# Altium PCB CORE-XY.PcbDoc (part 1 of 2)
Units mil, origin at the board's own origin, x right, y up, seen from the top; angles counter-clockwise.
Board outline 6000 x 4000 mil, 2 copper layers (Top Layer, Bottom Layer); 311 components, 277 nets, 1236 pads, 16 vias.
Unrouted connection lines stored in the file: 671.
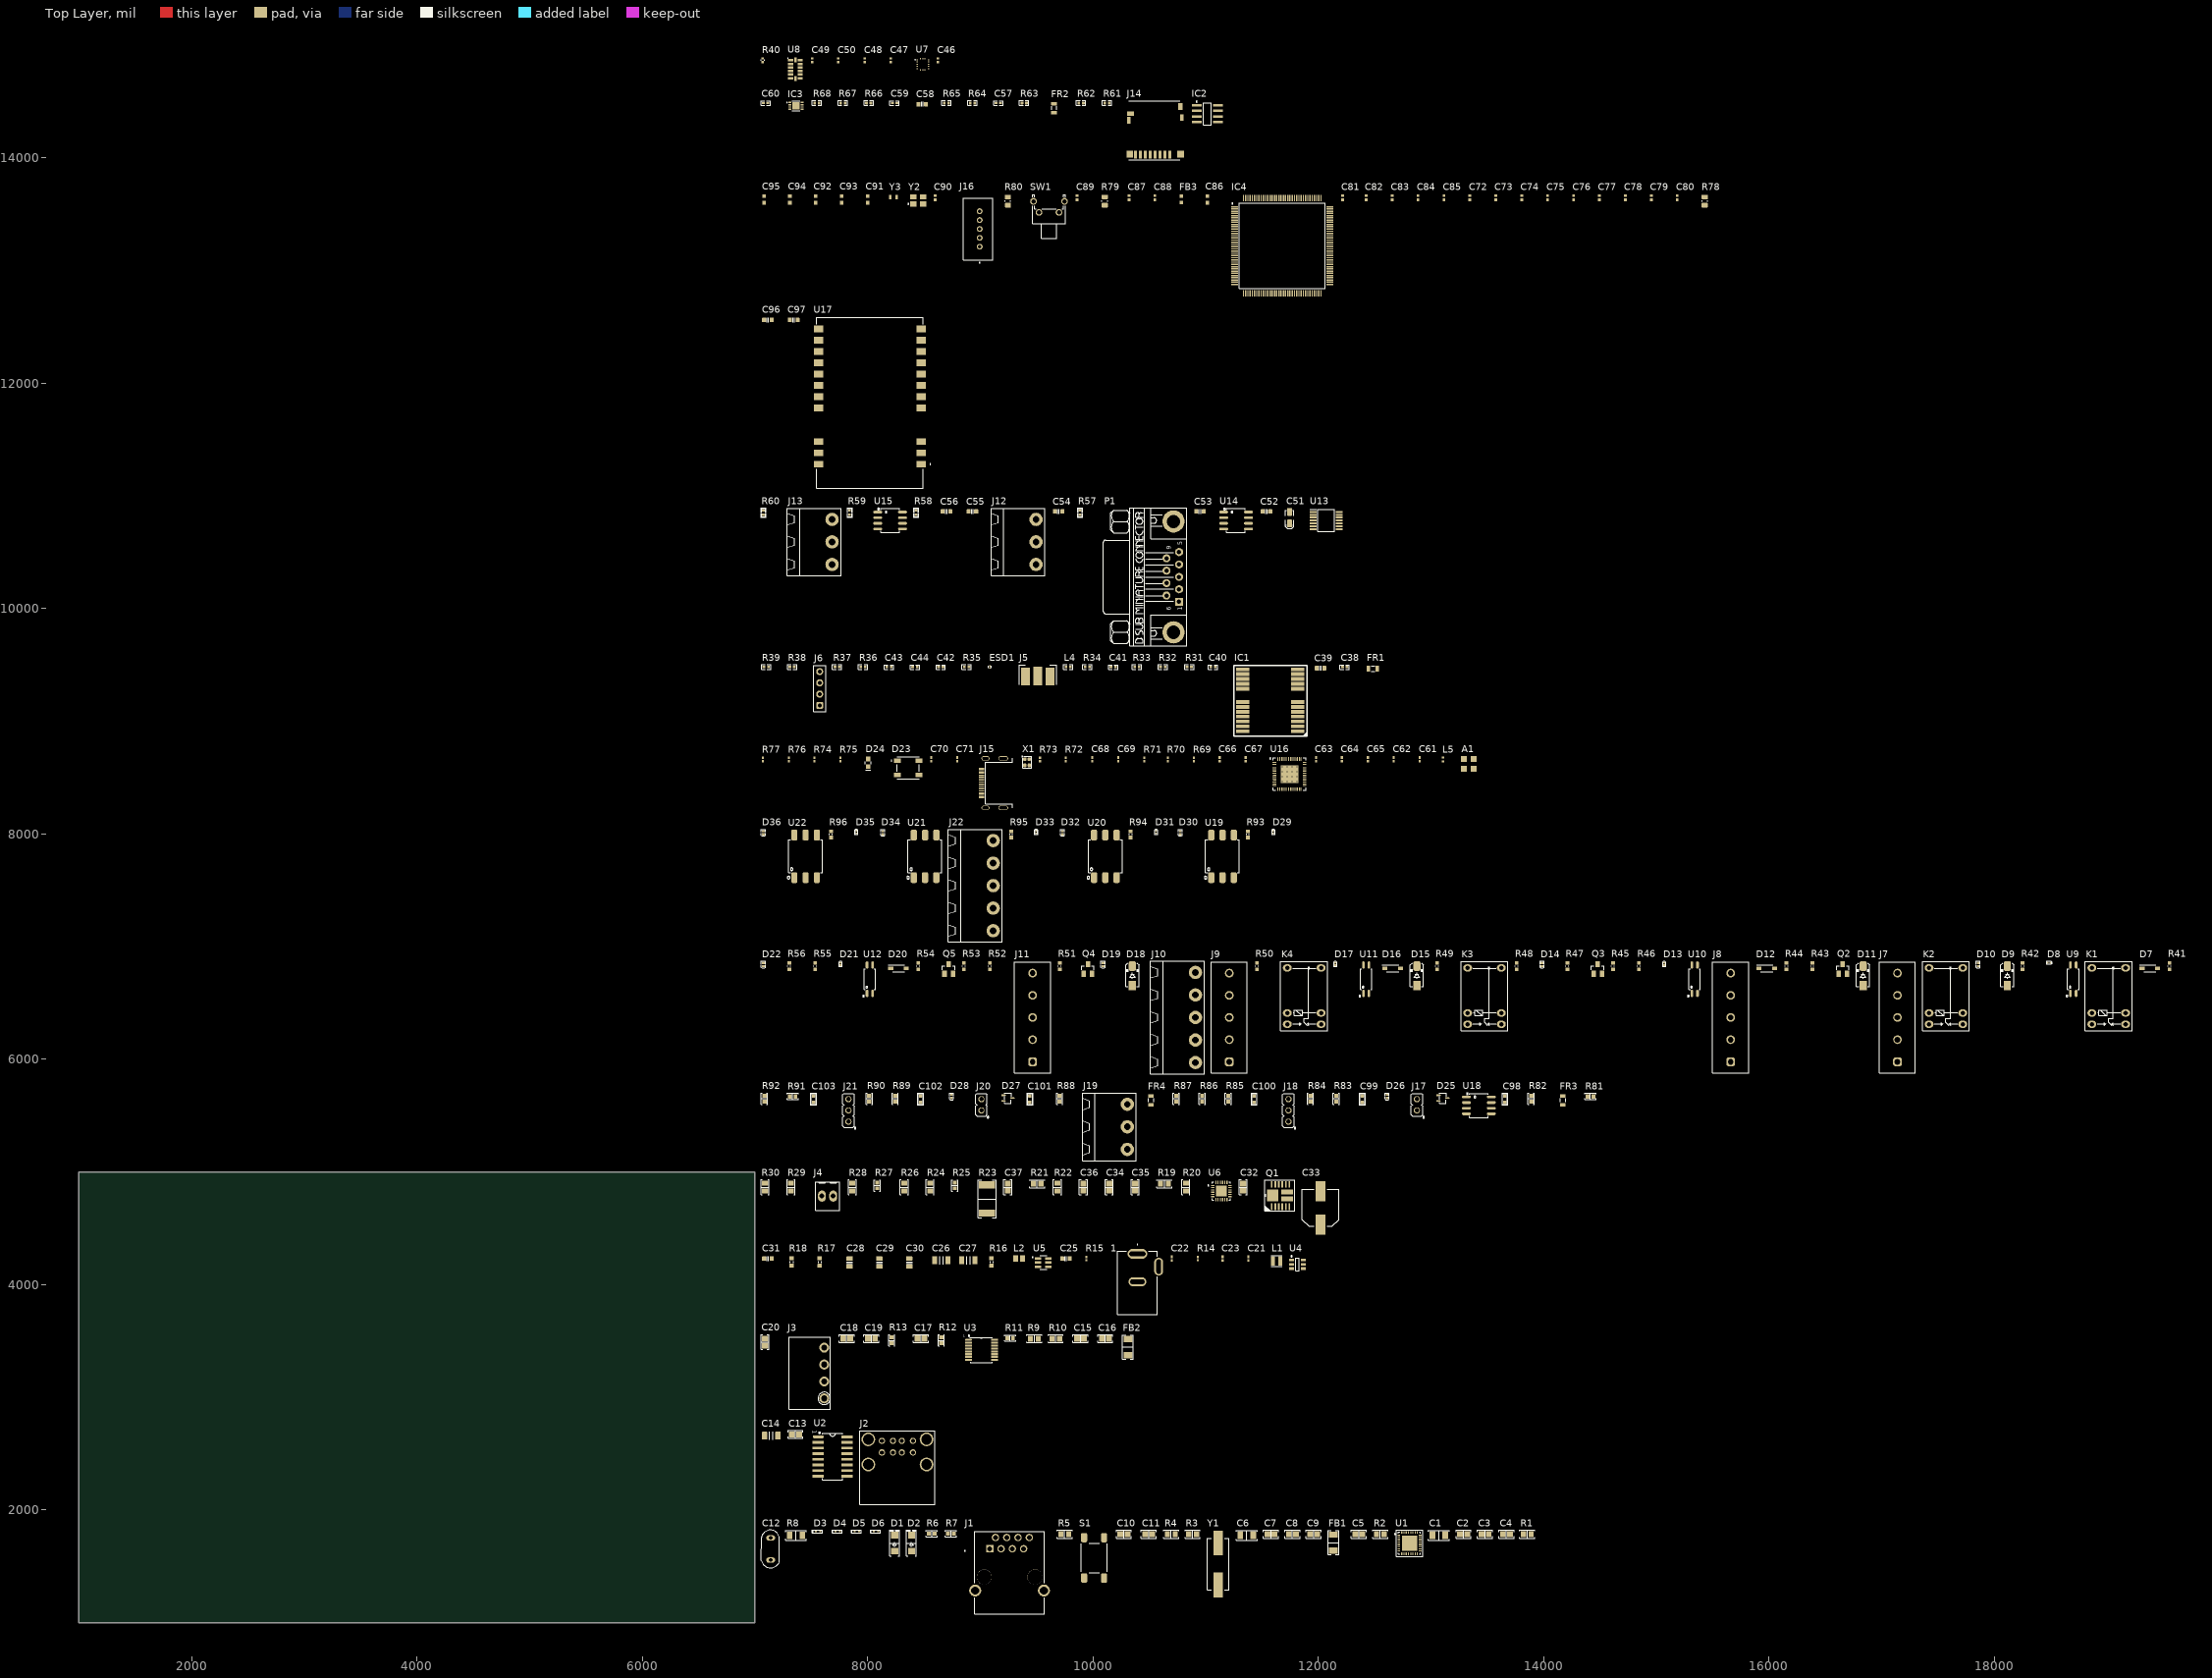
[diagram p0: Top Layer view]
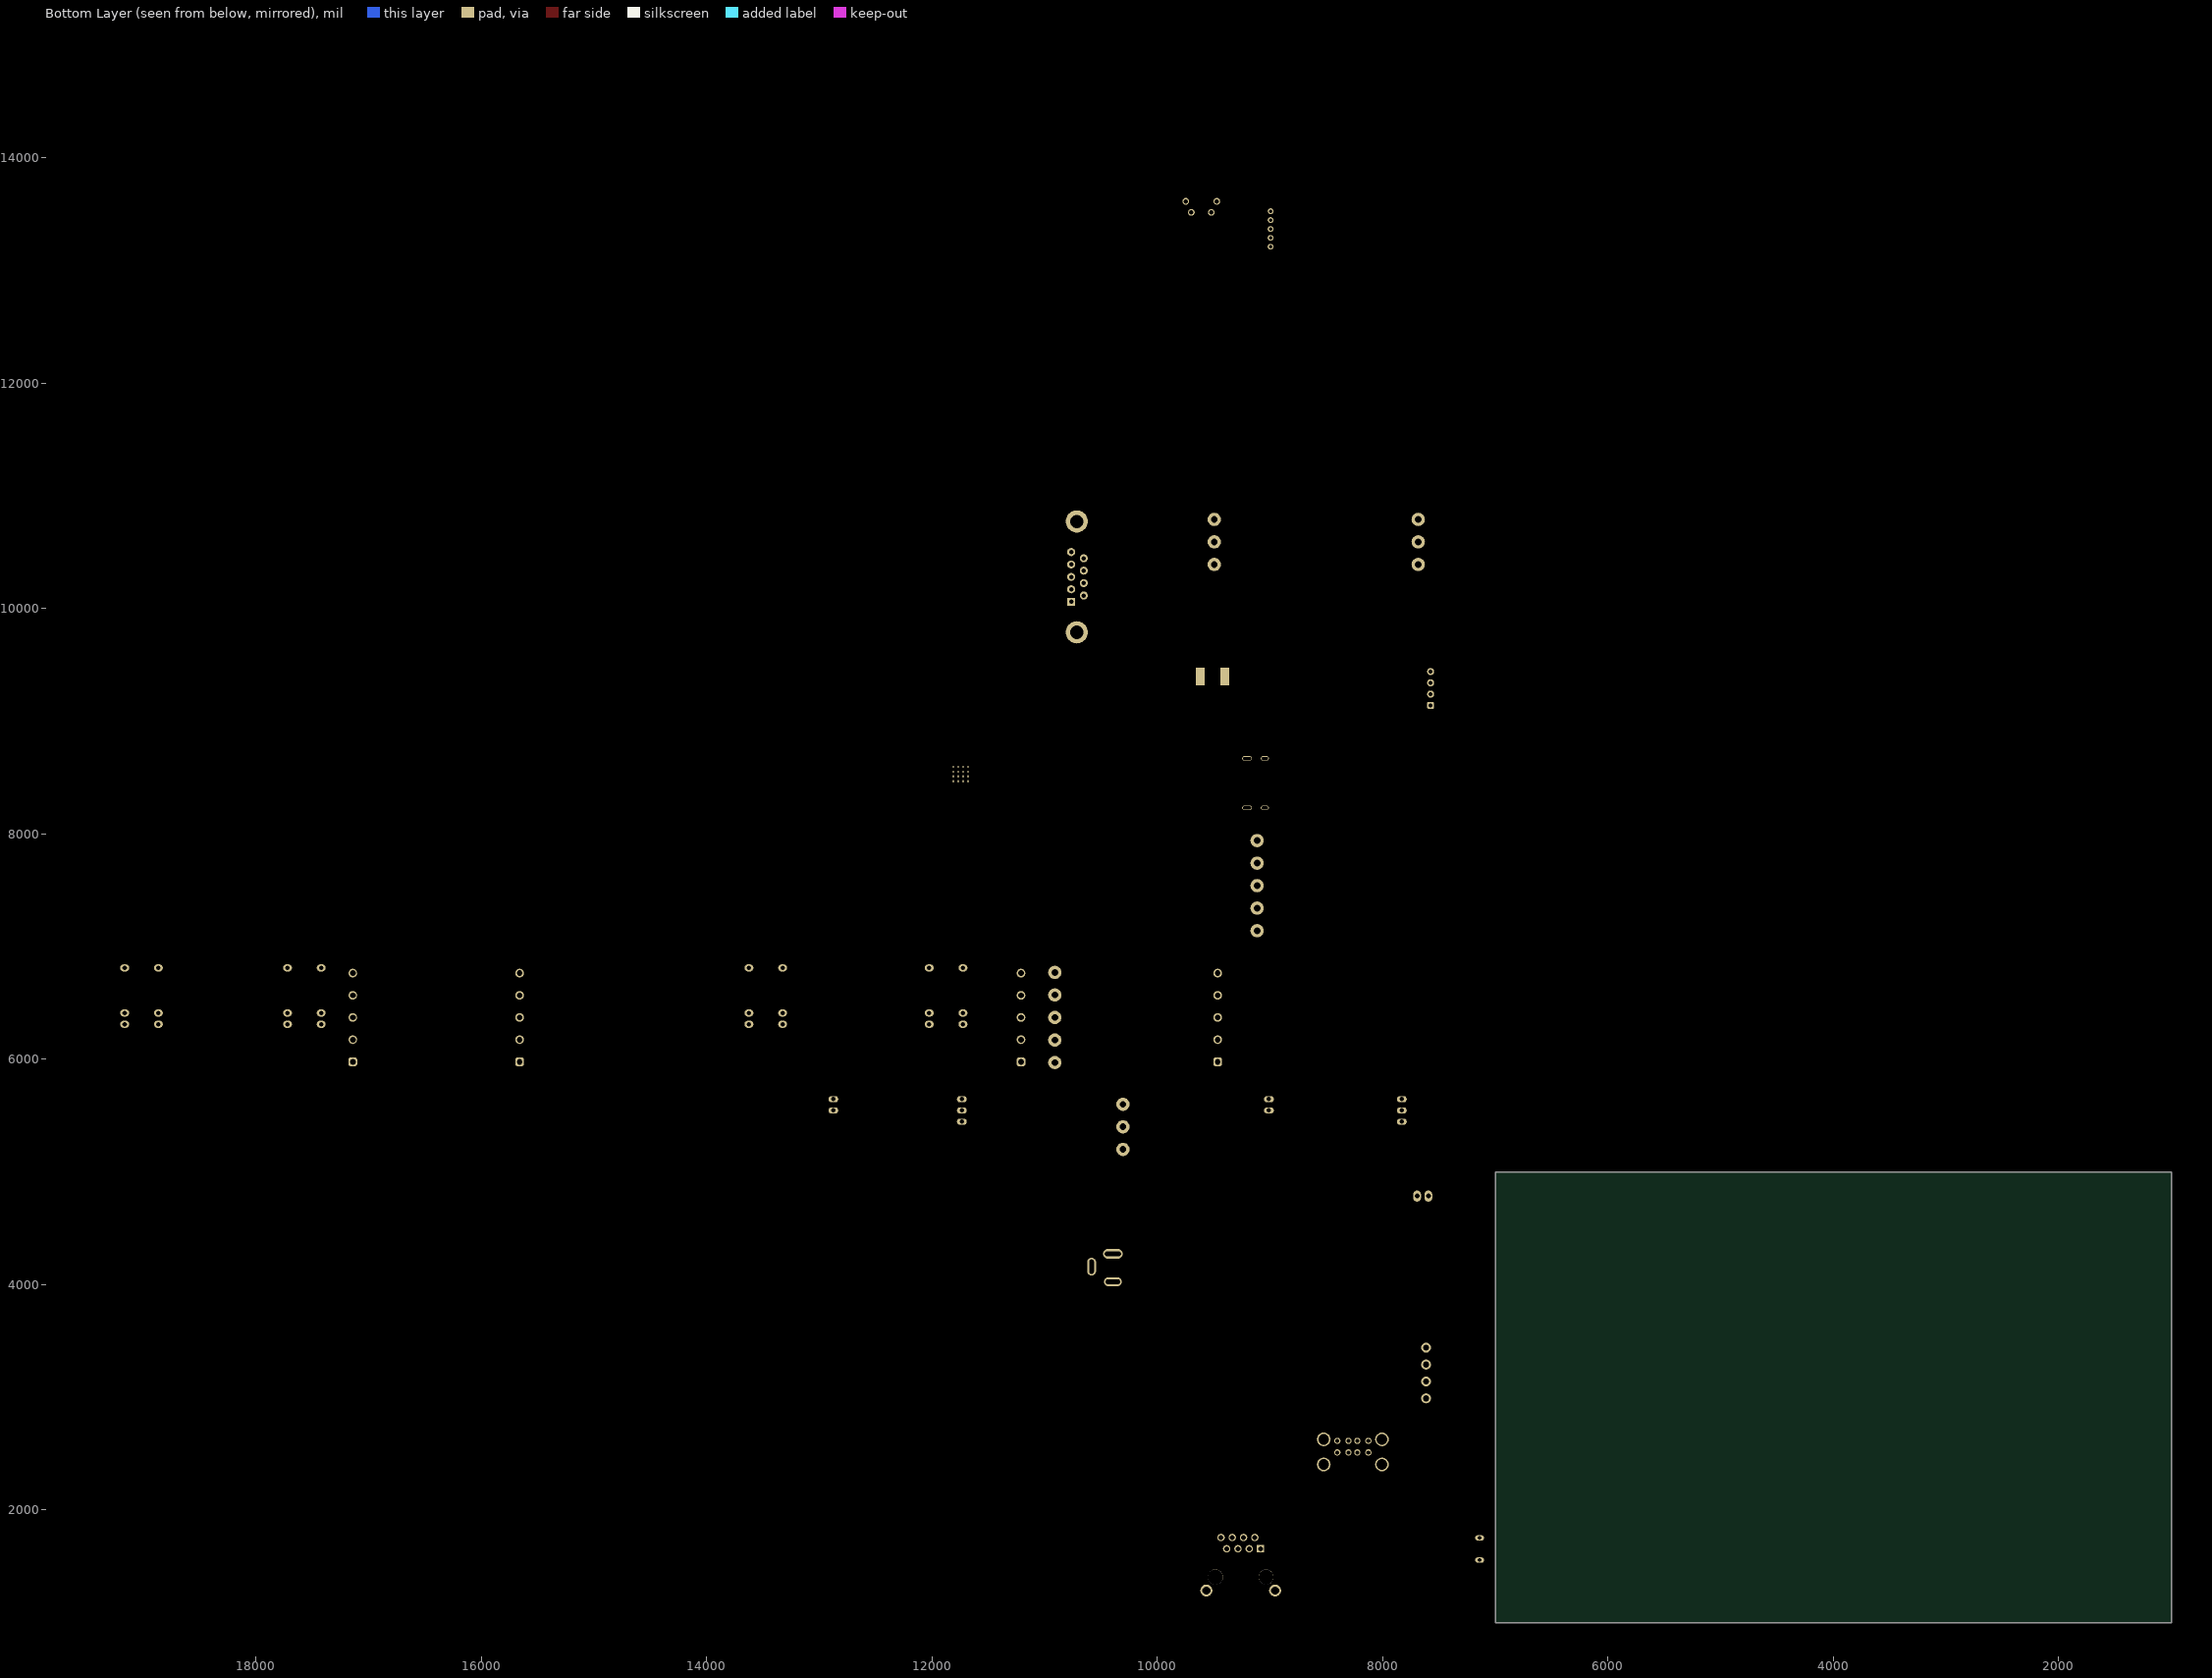
[diagram p1: Bottom Layer view, seen from below]

## Layer stack, top to bottom
Top Solder: solder mask 0.4, Solder Resist, Dk 3.5
Top Layer: signal copper 1.4
Dielectric 1: dielectric 12.6, FR-4, Dk 4.8
Bottom Layer: signal copper 1.4
Bottom Solder: solder mask 0.4, Solder Resist, Dk 3.5

## Board outline
1000,1000 7000,1000 7000,5000 1000,5000

## Design rules (kind name [scope] priority, off if disabled: settings)
Clearance [All] p1: gap=10 ignorepadtopadclearanceinfootprint=FALSE except(0: Arc-Hole Track-Hole SMDPad-Hole THPad-Hole Via-Hole Fill-Hole Poly-Hole Region-Hole Text-Hole)
DiffPairsRouting [All] p1: maxlimit=10 minlimit=10 mostfreqgap=10 toplayer_minwidth=15 toplayer_maxwidth=15 toplayer_prefwidth=15 bottomlayer_minwidth=15 bottomlayer_maxwidth=15 bottomlayer_prefwidth=15 maxuncoupledlength=500
PolygonConnect [All] p1: connectstyle=Relief reliefconductorwidth=10 reliefentries=4 polygonreliefangle="90 Angle" airgapwidth=10
RoomDefinition sensors [InComponentClass('sensors')] p1: confinementstyle=ConfineIn formatcopy=TRUE lockcomponents=FALSE outline 7045,14665 8795,14665 8795,15005 7045,15005
RoomDefinition MEMMORY [InComponentClass('MEMMORY')] p2: confinementstyle=ConfineIn formatcopy=TRUE lockcomponents=FALSE outline 7045,13845 11175,13845 11175,14615 7045,14615
RoomDefinition MCU-STM32F767 [InComponentClass('MCU-STM32F767')] p3: confinementstyle=ConfineIn formatcopy=TRUE lockcomponents=FALSE outline 7045,12750 15580,12750 15580,13790 7045,13790
RoomDefinition LORA-MODULE [InComponentClass('LORA-MODULE')] p4: confinementstyle=ConfineIn formatcopy=TRUE lockcomponents=FALSE outline 7045,11050 8570,11050 8570,12700 7045,12700
RoomDefinition INTERFACE-COMMUNICATION [InComponentClass('INTERFACE-COMMUNICATION')] p5: confinementstyle=ConfineIn formatcopy=TRUE lockcomponents=FALSE outline 7045,9660 12235,9660 12235,11000 7045,11000
RoomDefinition GNSS-receiver [InComponentClass('GNSS-receiver')] p6: confinementstyle=ConfineIn formatcopy=TRUE lockcomponents=FALSE outline 7045,8855 12585,8855 12585,9610 7045,9610
RoomDefinition ESP32 [InComponentClass('ESP32')] p7: confinementstyle=ConfineIn formatcopy=TRUE lockcomponents=FALSE outline 7045,8200 13415,8200 13415,8800 7045,8800
RoomDefinition DIGITAL-OUTPUT [InComponentClass('DIGITAL-OUTPUT')] p8: confinementstyle=ConfineIn formatcopy=TRUE lockcomponents=FALSE outline 7045,7030 11770,7030 11770,8150 7045,8150
RoomDefinition "DIGILATL INPUT" [InComponentClass('DIGILATL INPUT')] p9: confinementstyle=ConfineIn formatcopy=TRUE lockcomponents=FALSE outline 7045,5860 19700,5860 19700,6980 7045,6980
RoomDefinition DAC4-20mA-ADC-0-10V [InComponentClass('DAC4-20mA-ADC-0-10V')] p10: confinementstyle=ConfineIn formatcopy=TRUE lockcomponents=FALSE outline 7045,5090 14530,5090 14530,5810 7045,5810
RoutingVias [All] p1: holewidth=28 width=50 viastyle="Through Hole" minholewidth=28 minwidth=50 maxholewidth=28 maxwidth=50
SolderMaskExpansion [All] p1: expansion=4 istentingtop=FALSE
Width [All] p1: maxlimit=10 minlimit=10 preferedwidth=10
29 further rules are at their usual default settings.

## Classes and differential pairs
component class MEMMORY: C57 C58 C59 C60 FR2 IC2 IC3 J14 R61 R62 R63 R64 R65 R66 R67 R68
component class INTERFACE-COMMUNICATION: C51 C52 C53 C54 C55 C56 J12 J13 P1 R57 R58 R59 R60 U13 U14 U15
component class DIGITAL-OUTPUT: D29 D30 D31 D32 D33 D34 D35 D36 J22 R93 R94 R95 R96 U19 U20 U21 U22
component class "DIGILATL INPUT": D7 D8 D9 D10 D11 D12 D13 D14 D15 D16 D17 D18 D19 D20 D21 D22 J7 J8 J9 J10 J11 K1 K2 K3 K4 Q2 Q3 Q4 Q5 R41 R42 R43 R44 R45 R46 R47 R48 R49 R50 R51 R52 R53 R54 R55 R56 U9 U10 U11 U12
component class LORA-MODULE: C96 C97 U17 U?
component class DAC4-20mA-ADC-0-10V: C98 C99 C100 C101 C102 C103 D D25 D26 D27 D28 FR3 FR4 J17 J18 J19 J20 J21 R81 R82 R83 R84 R85 R86 R87 R88 R89 R90 R91 R92 U18
component class MCU-STM32F767: C72 C73 C74 C75 C76 C77 C78 C79 C80 C81 C82 C83 C84 C85 C86 C87 C88 C89 C90 C91 C92 C93 C94 C95 FB3 IC4 J16 R78 R79 R80 SW1 Y2 Y3
net class OSC: STM32H7_HSE_IN
differential pair class "100 OHM": RD TD
net class GNSS_MISC: "GNSS _UART_TX" GNSS_TPULSE GNSS_UART_RX GNSS_USB_D_N GNSS_USB_D_P GNSS_USB_VDD NetIC1_4 NetIC1_19
net class DIFF100: RD_N RD_P TD_N TD_P
net class "50OHM SINGLE-ENDED": COL CRS NetR1_1 NetR5_2 NetU1_12 NetU1_13 NetU1_14 NetU1_15 NetU1_16 NetU1_18 NetU1_19 NetU1_20 NetU1_22 NetU1_23 NetU1_24 NetU1_25 NetU1_26 NetU1_27
component class sensors: C46 C47 C48 C49 C50 R40 U7 U8
component class GNSS-receiver: C38 C39 C40 C41 C42 C43 C44 ESD1 FR1 IC1 J5 J6 L4 R31 R32 R33 R34 R35 R36 R37 R38 R39
component class ESP32: A1 C61 C62 C63 C64 C65 C66 C67 C68 C69 C70 C71 D23 D24 J15 L5 R69 R70 R71 R72 R73 R74 R75 R76 R77 U16 X1
component class "[11]-Motor Driver_DRV8701_2": C32 C33 C34 C35 C36 C37 J4 Q1 R19 R20 R21 R22 R23 R24 R25 R26 R27 R28 R29 R30 U6
component class [10]-POWER: 1 C21 C22 C23 C25 C26 C27 C28 C29 C30 C31 L1 L2 MH1 MH2 MH3 MH4 R14 R15 R16 R17 R18 U4 U5
component class "[7]-ADC CHIP": C15 C16 C17 C18 C19 C20 FB2 J3 R9 R10 R11 R12 R13 U3
component class [6]-CH340C: C13 C14 J2 U2
component class [4]-Ethernet_PHY: C1 C2 C3 C4 C5 C6 C7 C8 C9 C10 C11 C12 D1 D2 D3 D4 D5 D6 FB1 J1 R1 R2 R3 R4 R5 R6 R7 R8 S1 U1 Y1
differential pair D: +D_P -D_N
differential pair GNSS_USB_D: +GNSS_USB_D_P -GNSS_USB_D_N
differential pair TD: +TD_P -TD_N
differential pair RD: +RD_P -RD_N

## Components (designator, comment, footprint, x,y, rotation, side; value= is the part's Value field where it differs from the comment)
1 "connector jack" GCT_DCJ200-10-A-XX-K_REVA 10395,4015 r0 top
A1 "0479480001" 0479480001 13335,8620 r0 top
C1 "10µF" "CAP 1206_3216 - 1.8MM" 13070,1775 r0 top
C2 "0.1µF" "CAP 0805_2012" 13290,1785 r0 top
C3 "1µF" "CAP 0805_2012" 13480,1785 r0 top
C4 "10nF" "CAP 0805_2012" 13670,1785 r0 top
C5 "2nF" "CAP 0805_2012" 12360,1785 r0 top
C6 "10µF" "CAP 1206_3216 - 1.8MM" 11365,1775 r0 top
C7 "0.1µF" "CAP 0805_2012" 11580,1785 r0 top
C8 "1µF" "CAP 0805_2012" 11770,1785 r0 top
C9 "10nF" "CAP 0805_2012" 11960,1785 r0 top
C10 "20pF" "CAP 0805_2012" 10275,1785 r0 top
C11 "20pF" "CAP 0805_2012" 10495,1785 r0 top
C12 "10nF" CAP_P196_102X287_H332_RAD_TH 7140,1555 r90 top
C13 "0.1µF" "CAP 0805_2012" 7360,2670 r0 top
C14 "47uF, 10V" CAP1206 7145,2660 r0 top
C15 "0.1µF" "CAP 0805_2012" 9890,3520 r0 top
C16 "0.1µF" "CAP 0805_2012" 10110,3520 r0 top
C17 "0.1µF" "CAP 0805_2012" 8475,3520 r0 top
C18 "10nF" "CAP 0805_2012" 7815,3520 r0 top
C19 "10nF" "CAP 0805_2012" 8035,3520 r0 top
C20 "0.1µF" "CAP 0805_2012" 7090,3490 r90 top
C21 "C0402 100nF 10V X5R" C0402-HIGH-DENSITY 11380,4230 r90 top value=100nF
C22 "C0402 10uF 10V" C0402-HIGH-DENSITY 10700,4230 r90 top value=10uF
C23 "C0402 10uF 10V" C0402-HIGH-DENSITY 11150,4230 r90 top value=10uF
C25 "100nfF 10V 0805 X5R" CAP0603 9760,4230 r0 top value=100nF
C26 "10uF 50V 1206 X5R" CAP1206 8655,4215 r0 top value=10uF
C27 "10uF 50V 1206 X5R" CAP1206 8895,4215 r0 top value=10uF
C28 "22uF 10V 0805 X5R" CAP0805 7840,4195 r90 top value=22uF
C29 "22uF 10V 0805 X5R" CAP0805 8105,4195 r90 top value=22uF
C30 "22uF 10V 0805 X5R" CAP0805 8370,4195 r90 top value=22uF
C31 "68pF 50V 0603 NP0" CAP0603 7115,4230 r0 top value=68pF
C32 "0.1µF" "CAP 0805_2012" 11335,4865 r90 top
C33 "100µF" "CAP ALSMD 8.3MM H10.5MM" 12020,4680 r90 top
C34 "1µF" "CAP 0805_2012" 10145,4865 r90 top
C35 "1µF" "CAP 0805_2012" 10375,4865 r90 top
C36 "1µF" "CAP 0805_2012" 9915,4865 r90 top
C37 "0.1µF" "CAP 0805_2012" 9245,4865 r90 top
C38 "1uF, 10V" CAP0402 12235,9480 r0 top
C39 "10uF, 6.3V" CAP0603 12020,9470 r0 top
C40 "100pF, 50V" CAP0402 11065,9480 r0 top
C41 "100pF, 50V" CAP0402 10180,9480 r0 top
C42 "100nF, 16V" CAP0402 8650,9480 r0 top
C43 "100nF, 16V" CAP0402 8190,9480 r0 top
C44 "100pF, 50V" CAP0402 8420,9480 r0 top
C46 "120-000204.7uF" "Cap 0402 HD" 8625,14865 r90 top value=4.7uF
C47 "120-000160.1uF" "Cap 0402 HD" 8205,14865 r90 top value=0.1uF
C48 "120-000160.1uF" "Cap 0402 HD" 7975,14865 r90 top value=0.1uF
C49 "120-000204.7uF" "Cap 0402 HD" 7510,14865 r90 top value=4.7uF
C50 "120-000160.1uF" "Cap 0402 HD" 7740,14865 r90 top value=0.1uF
C51 "10uF" C_TN_3216 11745,10805 r90 top
C52 "100nF" CAP0603 11540,10860 r0 top
C53 "100nF" CAP0603 10950,10860 r0 top
C54 "100nF" CAP0603 9695,10860 r0 top
C55 "100nF" CAP0603 8930,10860 r0 top
C56 "100nF" CAP0603 8700,10860 r0 top
C57 "100nF, 16V" CAP0402 9160,14485 r0 top
C58 "10uF, 6.3V" CAP0603 8485,14475 r0 top
C59 "100nF, 16V" CAP0402 8240,14485 r0 top
C60 "100nF, 16V" CAP0402 7095,14485 r0 top
C61 "0402 Capacitor Template" C0402-HIGH-DENSITY 12900,8660 r90 top value=??nF
C62 "0402 Capacitor Template" C0402-HIGH-DENSITY 12670,8660 r90 top value=??nF
C63 "C0402 10uF 10V" C0402-HIGH-DENSITY 11980,8660 r90 top value=10uF
C64 "C0402 100nF 10V X5R" C0402-HIGH-DENSITY 12210,8660 r90 top value=100nF
C65 "C0402 100nF 10V X5R" C0402-HIGH-DENSITY 12440,8660 r90 top value=100nF
C66 "C0402 10uF 10V" C0402-HIGH-DENSITY 11125,8660 r90 top value=10uF
C67 "C0402 100nF 10V X5R" C0402-HIGH-DENSITY 11355,8660 r90 top value=100nF
C68 "C0402 10uF 10V" C0402-HIGH-DENSITY 9995,8660 r90 top value=10uF
C69 "C0402 100nF 10V X5R" C0402-HIGH-DENSITY 10225,8660 r90 top value=100nF
C70 "C0402 100nF 10V X5R" C0402-HIGH-DENSITY 8565,8660 r90 top value=20pF
C71 "C0402 100nF 10V X5R" C0402-HIGH-DENSITY 8795,8660 r90 top value=20pF
C72 "100nF" CAPC1005X55N 13345,13645 r90 top
C73 "100nF" CAPC1005X55N 13575,13645 r90 top
C74 "100nF" CAPC1005X55N 13805,13645 r90 top
C75 "100nF" CAPC1005X55N 14035,13645 r90 top
C76 "100nF" CAPC1005X55N 14265,13645 r90 top
C77 "100nF" CAPC1005X55N 14495,13645 r90 top
C78 "100nF" CAPC1005X55N 14725,13645 r90 top
C79 "100nF" CAPC1005X55N 14955,13645 r90 top
C80 "1uF" CAPC1005X55N 15185,13645 r90 top
C81 "100nF" CAPC1005X55N 12215,13645 r90 top
C82 "100nF" CAPC1005X55N 12425,13645 r90 top
C83 "100nF" CAPC1005X55N 12655,13645 r90 top
C84 "100nF" CAPC1005X55N 12885,13645 r90 top
C85 "100nF" CAPC1005X55N 13115,13645 r90 top
C86 "2.2uF" WCAP-CSST_0603_L1.6W0.8H0.8_Reflow 11015,13630 r90 top
C87 "1uF" CAPC1005X55N 10320,13645 r90 top
C88 "100nF" CAPC1005X55N 10550,13645 r90 top
C89 "10uF" CAPC1005X55N 9860,13645 r90 top
C90 "10uF" CAPC1005X55N 8600,13645 r90 top
C91 "12pF" WCAP-CSST_0603_L1.6W0.8H0.8_Reflow 8000,13630 r90 top
C92 "2.2pF" WCAP-CSST_0603_L1.6W0.8H0.8_Reflow 7540,13630 r90 top
C93 "2.2pF" WCAP-CSST_0603_L1.6W0.8H0.8_Reflow 7770,13630 r90 top
C94 "12pF" WCAP-CSST_0603_L1.6W0.8H0.8_Reflow 7310,13630 r90 top
C95 "2.2uF" WCAP-CSST_0603_L1.6W0.8H0.8_Reflow 7080,13630 r90 top
C96 "100nF" CAP0603 7115,12560 r0 top
C97 "1uF" CAP0603 7345,12560 r0 top
C98 "100nF" c0603 13655,5645 r90 top
C99 "100nF" c0603 12390,5645 r90 top
C100 "100nF" c0603 11430,5645 r90 top
C101 "100nF" c0603 9440,5645 r90 top
C102 "100nF" c0603 8470,5645 r90 top
C103 "100nF" c0603 7520,5645 r90 top
D1 "Red" "LED 1206_3216 RED" 8240,1705 r90 top
D2 "Red" "LED 1206_3216 RED" 8390,1705 r90 top
D3 "ESD3V3D9-TP" DIO_SOD-923 7560,1810 r0 top
D4 "ESD3V3D9-TP" DIO_SOD-923 7735,1810 r0 top
D5 "ESD3V3D9-TP" DIO_SOD-923 7905,1810 r0 top
D6 "ESD3V3D9-TP" DIO_SOD-923 8075,1810 r0 top
D7 "NSI50010YT1G" DRIVER-LED 19380,6805 r0 top
D8 "LED201AMB" LED0201AMB 18485,6855 r0 top
D9 "1N4002" D_SMA 18115,6740 r90 top
D10 "TVS_ESD7461" ESD_XDFN2 17855,6840 r90 top
D11 "1N4002" D_SMA 16835,6740 r90 top
D12 "NSI50010YT1G" DRIVER-LED 15980,6805 r0 top
D13 "LED201AMB" LED0201AMB 15070,6845 r90 top
D14 "TVS_ESD7461" ESD_XDFN2 13985,6840 r90 top
D15 "1N4002" D_SMA 12875,6740 r90 top
D16 "NSI50010YT1G" DRIVER-LED 12660,6805 r0 top
D17 "LED201AMB" LED0201AMB 12150,6845 r90 top
D18 "1N4002" D_SMA 10350,6740 r90 top
D19 "TVS_ESD7461" ESD_XDFN2 10090,6840 r90 top
D20 "NSI50010YT1G" DRIVER-LED 8275,6805 r0 top
D21 "LED201AMB" LED0201AMB 7760,6845 r90 top
D22 "TVS_ESD7461" ESD_XDFN2 7075,6840 r90 top
D23 "RGB" RGB-LED 8360,8585 r0 top
D24 "VBUS" LED0603-IPC 8005,8630 r90 top
D25 "BAV199" SOT323_3 13105,5655 r0 top
D26 "SMBJ20CA-adc" ESD_XDFN2 12610,5670 r90 top
D27 "BAV199" SOT323_3 9245,5655 r0 top
D28 "SMBJ20CA-adc" ESD_XDFN2 8745,5670 r90 top
D29 "LED201AMB" LED0201AMB 11600,8015 r90 top
D30 "TVS_ESD7461" ESD_XDFN2 10775,8010 r90 top
D31 "LED201AMB" LED0201AMB 10560,8015 r90 top
D32 "TVS_ESD7461" ESD_XDFN2 9730,8010 r90 top
D33 "LED201AMB" LED0201AMB 9495,8015 r90 top
D34 "TVS_ESD7461" ESD_XDFN2 8135,8010 r90 top
D35 "LED201AMB" LED0201AMB 7900,8015 r90 top
D36 "TVS_ESD7461" ESD_XDFN2 7075,8010 r90 top
ESD1 "ESD8472" ESD8472_X3DFN2 9085,9480 r90 top
FB1 "1 kOhms @ 100MHz" "FER 1206_3216" 12135,1710 r90 top
FB2 "1 kOhms @ 100MHz" "FER 1206_3216" 10310,3445 r90 top
FB3 "10Ohm" WE-CBA_0603_L1.6W0.8H0.8_HF/HS/WB 10785,13630 r90 top
FR1 "600R, 2A" RES0805 12485,9465 r0 top
FR2 "600R, 2A" RES0805 9655,14440 r90 top
FR3 "600R, 2A" RES0805 14170,5635 r90 top
FR4 "600R, 2A" RES0805 10515,5635 r90 top
IC1 "NEO-M8Q" NEO-7M/8M 11575,9185 r0 top
IC2 "IS25LQ040" M25P40-VMN6TPB_SO8N 11015,14390 r0 top
IC3 "M24128" M24128-DFMC6TG 7365,14460 r0 top
IC4 "STM32F767Z" QFP50P2200X2200X160-144N 11680,13220 r0 top
J1 "RJ45 LAN" CON10_P106_RJ45_TH_ST 9260,1520 r0 top
J2 "2xUSB A" USB_typeA_double_USBR-A-D-F-O-TH 8265,2515 r0 top
J3 "OQ0432510000G" "FCI 06-381-4PIN" 7485,3215 r90 top
J4 "282834-2" "TE 282834-2" 7645,4785 r0 top
J5 "SMA board edge" SMA_connector_board_edge_SM 9510,9400 r0 top
J6 "USB" HEADER4X1_TH 7575,9290 r90 top
J7 "691137710005" CONN-RELAY 17140,6370 r90 top
J8 "691137710005" CONN-RELAY 15660,6370 r90 top
J9 "691137710005" CONN-RELAY 11210,6370 r90 top
J10 "CONN_TB5" MSTB_5 10910,6370 r90 top
J11 "691137710005" CONN-RELAY 9465,6370 r90 top
J12 "CONN_TB3" MSTB_3 9495,10590 r90 top
J13 "CONN_TB3" MSTB_3 7685,10590 r90 top
J14 "Micro SD card holder" MICRO_SD_CARD_114-00841-68_v2 10555,14240 r0 top
J15 "16 Pin Mid Mount USB C" "USB-C - 16 Pin Mid Mount" 9125,8450 r90 top
J16 "55932-0510" 559320510 8995,13210 r90 top
J17 "HDRM2" HDR_M_1X2 12875,5595 r90 top
J18 "HDRM3" HDR_M_1X3 11735,5545 r90 top
J19 "CONN_TB3" MSTB_3 10305,5400 r90 top
J20 "HDRM2" HDR_M_1X2 9010,5595 r90 top
J21 "HDRM3" HDR_M_1X3 7830,5545 r90 top
J22 "CONN_TB5" MSTB_5 9115,7540 r90 top
K1 "RELAY_SPDT" REL_SPDT_6_1611 19015,6560 r0 top
K2 "RELAY_SPDT" REL_SPDT_6_1611 17570,6560 r0 top
K3 "RELAY_SPDT" REL_SPDT_6_1611 13475,6560 r0 top
K4 "RELAY_SPDT" REL_SPDT_6_1611 11875,6560 r0 top
L1 "SDEM25201B-2R2MS" L1008 11630,4210 r0 top value=2.2uH
L2 "74279220601" 0805L 9345,4230 r0 top value="600 Ohm@100MHz"
L4 "47nH" RES0402 9780,9480 r0 top
L5 "! Inductor Template" L0402-Murata-WW-High-Density 13105,8660 r90 top value=??H
P1 "DSUB_9RF" DSUB_9RF 10715,10280 r90 top
Q1 "DMHT6016LFJ-13" DFN5045-12_33_212_27X15_SMD_1 11665,4790 r0 top
Q2 "NDS7002A" SOT23 16655,6800 r0 top
Q3 "NDS7002A" SOT23 14480,6800 r0 top
Q4 "NDS7002A" SOT23 9955,6800 r0 top
Q5 "NDS7002A" SOT23 8720,6800 r0 top